# Altium PCB Pleiades_PP.PcbDoc (part 8 of 15)
Units mil, origin at the board's own origin, x right, y up, seen from the top; angles counter-clockwise.
Board outline 12244.09 x 4515.28 mil, 12 copper layers (TOP, GND1, IN1, GND2, POW1, GND3, POW2, GND4, GND5, IN2, GND6, BOT), stack 63.546 mil thick; 1447 components, 738 nets, 4532 pads, 3316 vias.
Unrouted connection lines stored in the file: 499.
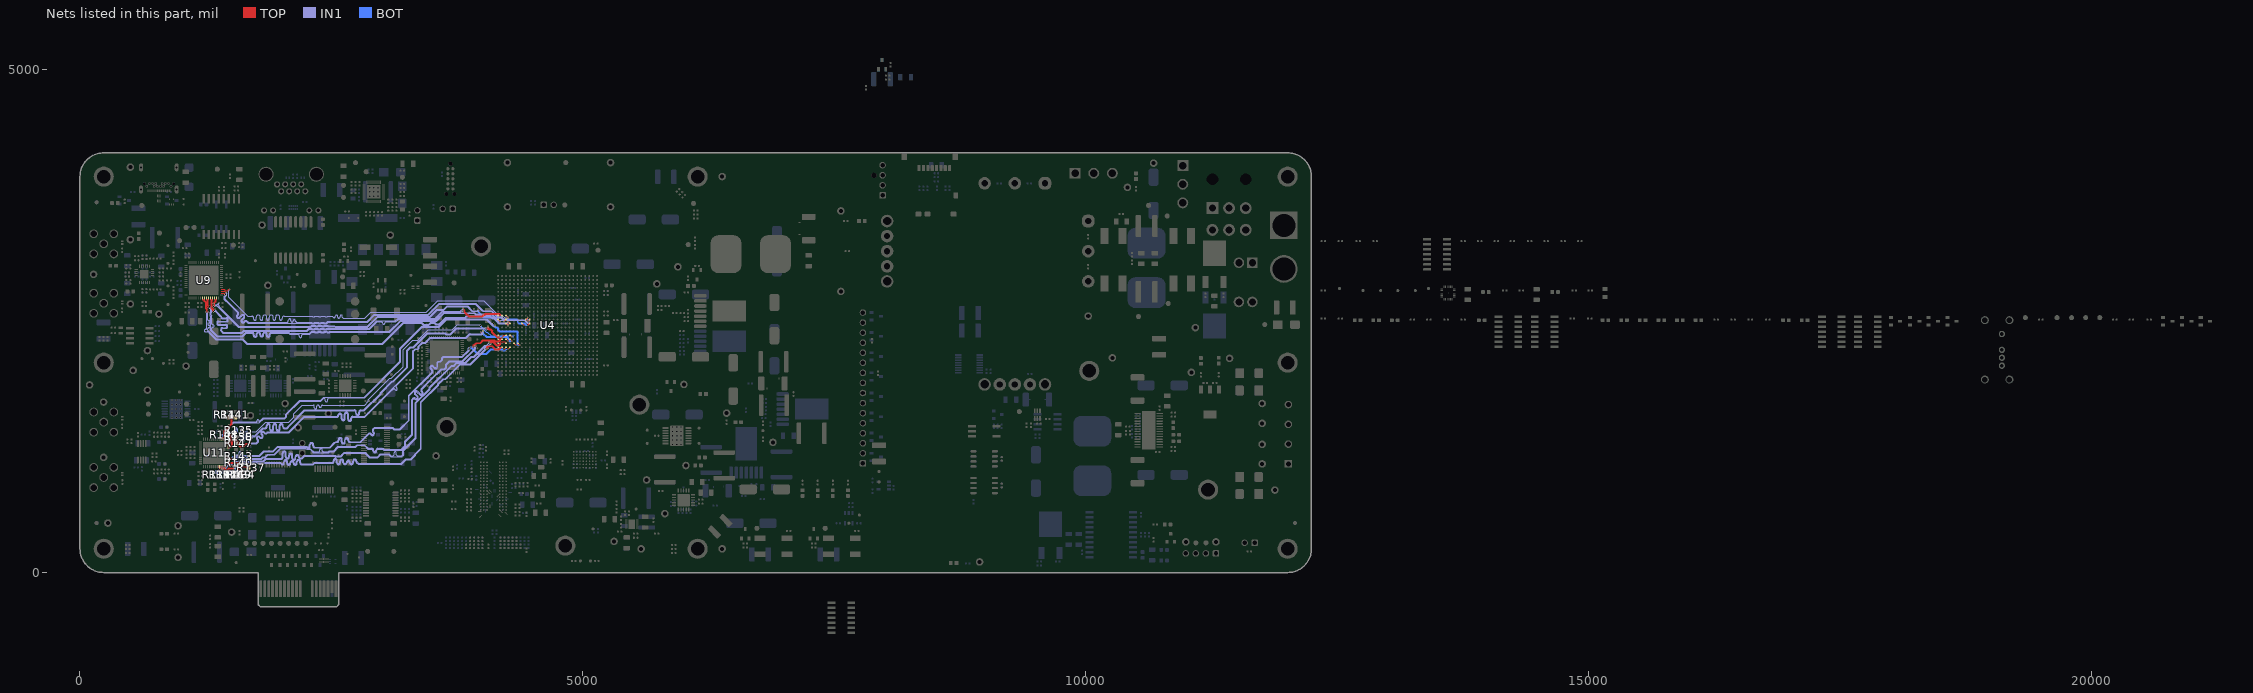
[diagram p18: the nets of this part, all layers, seen from the top]

## Via types
v1: diameter 12/18/18/18/18/18/18/18/18/18/18/12 (per signal layer), hole 6, TOP to BOT, 2739 vias
v2: diameter 20, hole 10, TOP to BOT, 363 vias
v3: diameter 19.68, hole 7.87, TOP to BOT, 110 vias
v4: diameter 40, hole 20, TOP to BOT, 36 vias
v5: diameter 25, hole 12, TOP to BOT, 32 vias
v6: diameter 22, hole 12, TOP to BOT, 27 vias
v7: diameter 19.68, hole 11.81, TOP to BOT, 9 vias

## Nets (pads, with @x,y where several pads share a name; then routed paths per layer and width w, separated by ;. In a path a pad name is that pad's centre, name@x,y a point inside that pad or via, vN(x,y) a via of type N, cw(c..) or ccw(c..) an arc to the next point about the centre after c; other vN are vias at no path point) (continued)
D0_P: R148.1 U4.D11 U11.27 | length 3925.4
  TOP w4.33: v1(1403.56,1367.5) 1401.48,1367.5 1398.94,1364.97 1398.72,1364.97 1398.72,1349.82 1398.72,1343.91 1403.9,1338.74 U11.27@1403.9,1326.81
  TOP w8.89: U4.D11@4275.59,2358.27 v1(4295.28,2338.58)
  IN1 w3.09: v1(1403.56,1367.5) 1403.56,1374.14 1405.37,1375.95 1441.02,1375.95 1465.97,1400.91 1510,1400.91 1516.09,1400.91 ccw(c1516.09,1421.55) 1536.74,1421.55 1536.74,1429.36 cw(c1548.28,1429.36) 1548.28,1440.91 cw(c1548.28,1429.36) 1559.83,1429.36 1559.83,1411.19 ccw(c1580.47,1411.19) 1580.47,1390.55 ccw(c1580.47,1411.19) 1601.11,1411.19 1601.11,1428.35 cw(c1612.66,1428.35) 1612.66,1439.89 cw(c1612.66,1428.35) 1624.21,1428.35 1624.21,1421.55 ccw(c1644.85,1421.55) 1644.85,1400.91 ccw(c1644.85,1421.55) 1665.49,1421.55 cw(c1677.04,1421.55) 1677.04,1433.1 cw(c1677.04,1421.55) 1688.59,1421.55 ccw(c1709.23,1421.55) 1709.23,1400.91 1750,1400.91 1753.77,1400.91 1847.86,1495 2073.77,1495 2123.38,1544.61 2123.38,1580.52 2207.7,1664.84 2295,1664.84 2319.64,1664.84 cw(c2319.64,1653.29) 2331.19,1653.29 2331.19,1638.78 ccw(c2342.74,1638.78) 2342.74,1627.23 ccw(c2342.74,1638.78) 2354.28,1638.78 2354.28,1653.29 cw(c2365.83,1653.29) 2365.83,1664.84 cw(c2365.83,1653.29) 2377.38,1653.29 ccw(c2388.93,1653.29) 2388.93,1641.74 ccw(c2388.93,1653.29) 2400.47,1653.29 cw(c2412.02,1653.29) 2412.02,1664.84 2475,1664.84 2829.84,1664.84 2867.66,1702.66 2867.66,1717.66 3080,1930 3095,1930 3212.66,2047.66 3212.66,2214.8 3306.59,2308.72 3358.73,2308.72 3465,2415 3702.86,2415 3749.71,2461.85 3982.95,2461.85 3982.95,2454.61 v1(3983.17,2454.39)
  BOT w4.33: v1(1403.56,1367.5) 1405.02,1366.03 1410.42,1366.03 R148.1@1435,1341.46 ; v1(3983.17,2454.39) 3984.07,2454.39 3990.44,2448.02 3990.44,2442.71 4041.61,2391.54 4051.73,2391.54 4088.81,2354.46 4300.53,2354.46 4310.3,2344.7 4310.3,2341.12 4307.76,2338.58 v1(4295.28,2338.58)
D1_N: R144.1 U4.E9 U11.26 | length 3975.7
  TOP w4.33: U11.26@1423.58,1326.81 1423.58,1338.74 1428.76,1343.91 1428.76,1402.33 1478.03,1451.59 v1(1478.03,1461.97) 1488.41,1461.97 1505.34,1478.9 1505.34,1538.92 1502.8,1541.46 R144.1@1475,1541.46
  TOP w8.89: U4.E9@4314.96,2279.53 v1(4334.65,2259.84)
  IN1 w3.09: v1(1478.03,1461.97) 1479.31,1463.25 1489.85,1463.25 1525.04,1498.44 1751.46,1498.44 1753.01,1498.44 ccw(c1753.01,1505.98) 1760.55,1505.98 1760.55,1512.01 cw(c1768.1,1512.01) 1768.1,1519.56 cw(c1768.1,1512.01) 1775.65,1512.01 1775.65,1511.73 ccw(c1783.2,1511.73) 1788.53,1506.39 1821.23,1539.09 1880,1539.09 2034.09,1539.09 2045.91,1550.91 2045.91,1575.91 2184.09,1714.09 2392.23,1714.09 2423.13,1745 2825.91,1745 3180,2099.09 3180,2228.77 3400.33,2449.09 3569.09,2449.09 3644.64,2524.64 4043.08,2524.64 4104.74,2462.99 4107.3,2462.99 4110.83,2466.51 4110.83,2477.25 v1(4111.92,2478.34)
  BOT w4.33: v1(4111.92,2478.34) 4110.84,2477.26 4110.84,2449.13 4126.79,2433.18 4141.96,2433.18 4152.53,2422.61 4152.53,2408.74 4167.44,2393.83 4338.79,2393.83 4349.67,2382.96 4349.67,2262.38 4347.13,2259.84 v1(4334.65,2259.84)
D1_P: R141.1 U4.F9 U11.25 | length 3975.2
  TOP w4.33: U11.25@1443.27,1326.81 1443.27,1338.74 1438.09,1343.91 1438.09,1398.46 1484.62,1445 v1(1495,1445) 1495,1455.38 1514.66,1475.04 1514.66,1538.92 1517.2,1541.46 R141.1@1545,1541.46
  TOP w8.89: U4.F9@4354.33,2279.53 v1(4374.02,2259.84)
  IN1 w3.09: v1(1495,1445) 1496.28,1446.28 1496.28,1456.82 1528.8,1489.34 1784.34,1489.34 1825,1530 2037.86,1530 2055,1547.14 2055,1572.14 2187.86,1705 2395.99,1705 2407.69,1716.7 2418.4,1727.4 cw(c2426.56,1719.24) 2438.11,1719.24 2438.11,1707.45 ccw(c2449.66,1707.45) 2449.66,1695.91 ccw(c2449.66,1707.45) 2461.2,1707.45 2461.2,1724.36 cw(c2472.75,1724.36) 2472.75,1735.91 2580,1735.91 2829.67,1735.91 3189.09,2095.33 3189.09,2225 3404.09,2440 3572.86,2440 3648.41,2515.55 4039.31,2515.55 4100.97,2453.89 4111.07,2453.89 4113.17,2455.99 4124.01,2455.99 v1(4125,2455)
  BOT w4.33: v1(4125,2455) 4126.47,2453.53 4126.47,2447.41 4131.37,2442.51 4145.83,2442.51 4161.86,2426.48 4161.86,2412.6 4171.3,2403.16 4342.66,2403.16 4358.99,2386.82 4358.99,2262.38 4361.53,2259.84 v1(4374.02,2259.84)
D2_N: R138.1 U4.A11 U11.24 | length 4021
  TOP w4.33: U11.24@1471.84,1298.24 1491.38,1298.24 1493.91,1300.77 1493.91,1358.06 1505.34,1369.49 1505.34,1378.73 v1(1506.61,1380) ; v1(4057.24,2446.7) 4057.11,2446.57 4057.11,2436.46 4070.07,2423.5 4085.07,2423.5 4104.82,2403.74 4104.82,2389.22 4151.12,2342.92 4164.18,2342.92 4166.71,2345.45 4166.71,2349.04 U4.A11@4157.48,2358.27
  IN1 w3.09: v1(1506.61,1380) 1500.49,1373.88 1500.49,1352.72 1502.3,1350.91 1509.05,1350.91 1513.69,1355.55 1522.43,1355.55 1527.07,1350.91 1555,1350.91 1593.28,1350.91 cw(c1593.28,1339.36) 1604.83,1339.36 1604.83,1331.55 ccw(c1625.47,1331.55) 1625.47,1310.91 ccw(c1625.47,1331.55) 1646.11,1331.55 1646.11,1374.17 cw(c1657.66,1374.17) 1657.66,1385.72 cw(c1657.66,1374.17) 1669.21,1374.17 1669.21,1332.88 ccw(c1689.85,1332.88) 1689.85,1312.24 ccw(c1689.85,1332.88) 1710.49,1332.88 1710.49,1339.36 cw(c1722.04,1339.36) 1722.04,1350.91 1742.34,1350.91 1750,1358.57 1822.34,1430.91 1835,1430.91 1841.09,1430.91 ccw(c1841.09,1451.55) 1861.74,1451.55 1861.74,1459.36 cw(c1873.28,1459.36) 1873.28,1470.91 cw(c1873.28,1459.36) 1884.83,1459.36 1884.83,1426.38 ccw(c1905.47,1426.38) 1905.47,1405.74 ccw(c1905.47,1426.38) 1926.11,1426.38 1926.11,1459.36 cw(c1937.66,1459.36) 1937.66,1470.91 cw(c1937.66,1459.36) 1949.21,1459.36 1949.21,1426.38 ccw(c1969.85,1426.38) 1969.85,1405.74 ccw(c1969.85,1426.38) 1990.49,1426.38 1990.49,1459.36 cw(c2002.04,1459.36) 2002.04,1470.91 cw(c2002.04,1459.36) 2013.59,1459.36 2013.59,1451.55 ccw(c2034.23,1451.55) 2034.23,1430.91 2058.77,1430.91 2090,1462.14 2235.41,1607.55 2628.84,1607.55 2728.65,1607.55 cw(c2728.65,1596) 2740.2,1596 2740.2,1582.99 ccw(c2760.84,1582.99) 2760.84,1562.35 ccw(c2760.84,1582.99) 2781.48,1582.99 2781.48,1596 cw(c2793.03,1596) 2793.03,1607.55 2799.12,1607.55 2827.55,1607.55 2994.45,1774.45 2994.45,1784.38 3105.3,1895.23 3115.23,1895.23 3259.45,2039.45 3259.45,2206.59 3286.43,2233.57 3318.65,2233.57 3458.13,2373.05 3628.44,2373.05 3636.13,2365.36 3685.66,2365.36 3746.36,2426.06 4020.54,2426.06 4033.15,2413.45 4046.85,2413.45 4057.24,2423.84 v1(4057.24,2446.7)
  BOT w4.33: v1(1506.61,1380) 1524.19,1362.42 1539.04,1362.42 R138.1@1551.46,1350
D2_P: R135.1 U4.C11 U11.23 | length 4023.1
  TOP w4.33: U11.23@1471.81,1278.58 1483.03,1278.58 1493.11,1288.66 1495,1288.66 1503.24,1296.91 1503.24,1354.2 1529.04,1380 v1(1530.61,1380) ; v1(4040,2430) 4040.13,2429.87 4050.51,2429.87 4066.21,2414.17 4081.21,2414.17 4095.49,2399.88 4095.49,2385.36 4147.26,2333.59 4152.26,2333.59 ccw(c4152.26,2334.09) 4152.76,2334.09 cw(c4153.26,2334.09) 4153.76,2334.09 ccw(c4154.26,2334.09) 4154.26,2333.59 4192.01,2333.59 4216.68,2358.27 4221.68,2358.27 ccw(c4221.68,2358.39) 4221.8,2358.39 cw(c4221.93,2358.39) 4222.05,2358.39 ccw(c4222.18,2358.39) 4222.18,2358.27 U4.C11@4236.22,2358.27
  IN1 w3.09: v1(1530.61,1380) 1524.97,1380 1523.16,1378.19 1523.16,1367.68 1530.84,1360 1555,1360 1593.28,1360 cw(c1593.28,1339.36) 1613.93,1339.36 1613.93,1331.55 ccw(c1625.47,1331.55) 1625.47,1320 ccw(c1625.47,1331.55) 1637.02,1331.55 1637.02,1374.17 cw(c1657.66,1374.17) 1657.66,1394.81 cw(c1657.66,1374.17) 1678.3,1374.17 1678.3,1332.88 ccw(c1689.85,1332.88) 1689.85,1321.34 ccw(c1689.85,1332.88) 1701.4,1332.88 1701.4,1339.36 cw(c1722.04,1339.36) 1722.04,1360 1738.57,1360 1750,1371.43 1818.57,1440 1835,1440 1841.09,1440 ccw(c1841.09,1451.55) 1852.64,1451.55 1852.64,1459.36 cw(c1873.28,1459.36) 1873.28,1480 cw(c1873.28,1459.36) 1893.93,1459.36 1893.93,1426.38 ccw(c1905.47,1426.38) 1905.47,1414.83 ccw(c1905.47,1426.38) 1917.02,1426.38 1917.02,1459.36 cw(c1937.66,1459.36) 1937.66,1480 cw(c1937.66,1459.36) 1958.3,1459.36 1958.3,1426.38 ccw(c1969.85,1426.38) 1969.85,1414.83 ccw(c1969.85,1426.38) 1981.4,1426.38 1981.4,1459.36 cw(c2002.04,1459.36) 2002.04,1480 cw(c2002.04,1459.36) 2022.68,1459.36 2022.68,1451.55 ccw(c2034.23,1451.55) 2034.23,1440 2055,1440 2090,1475 2231.64,1616.64 2628.84,1616.64 2728.65,1616.64 cw(c2728.65,1596) 2749.29,1596 2749.29,1582.99 ccw(c2760.84,1582.99) 2760.84,1571.44 ccw(c2760.84,1582.99) 2772.39,1582.99 2772.39,1596 cw(c2793.03,1596) 2793.03,1616.64 2799.12,1616.64 2823.78,1616.64 2985.36,1778.22 2985.36,1788.15 3101.53,1904.32 3111.46,1904.32 3250.36,2043.22 3250.36,2210.36 3282.66,2242.66 3314.89,2242.66 3454.36,2382.14 3459.36,2382.14 ccw(c3459.36,2382.27) 3459.49,2382.27 cw(c3459.61,2382.27) 3459.74,2382.27 ccw(c3459.86,2382.27) 3459.86,2382.14 3632.2,2382.14 3639.89,2374.45 3681.89,2374.45 3742.59,2435.15 4024.31,2435.15 4026.61,2432.85 4037.15,2432.85 v1(4040,2430)
  BOT w4.33: v1(1530.61,1380) 1530.61,1394.15 R135.1@1551.46,1415
D3_N: R150.1 U4.C10 U11.22 | length 3969.4
  TOP w4.33: U11.22@1471.81,1258.9 1483.74,1258.9 1488.91,1253.72 1494.82,1253.72 1510.57,1269.46 1510.57,1299.83 1532.91,1322.16 1548.92,1322.16 1551.46,1324.7 R150.1@1551.46,1350 1560.11,1341.35 1560.11,1317 1584.68,1292.43 1584.68,1268.21 1591.76,1261.14 1625.65,1261.14 1648.84,1284.33 1685,1284.33 1687.88,1287.21 1687.88,1294.23 v1(1689.35,1295.69)
  TOP w8.89: U4.C10@4236.22,2318.9 v1(4255.91,2299.21)
  IN1 w3.09: v1(1689.35,1295.69) 1692,1295.69 1698.62,1289.08 1752.51,1289.08 1759.22,1295.78 1763.53,1300.09 ccw(c1755.36,1308.26) 1763.53,1316.42 1758,1321.95 cw(c1772.6,1336.54) 1758,1351.14 cw(c1772.6,1336.54) 1787.2,1351.14 1792.72,1345.61 ccw(c1800.88,1353.78) 1809.05,1361.94 1803.53,1367.47 cw(c1818.12,1382.06) 1803.53,1396.66 cw(c1818.12,1382.06) 1832.72,1396.66 1838.25,1391.13 ccw(c1846.41,1399.3) 1854.57,1391.14 1863.08,1399.64 1911.57,1399.64 2074.64,1399.64 2227.45,1552.45 2243.02,1552.45 2552.96,1552.45 ccw(c2552.96,1564) 2564.51,1564 cw(c2585.15,1564) 2585.15,1584.64 cw(c2585.15,1564) 2605.79,1564 2605.79,1531 ccw(c2617.34,1531) 2617.34,1519.46 ccw(c2617.34,1531) 2628.89,1531 2628.89,1571.81 cw(c2649.53,1571.81) 2649.53,1592.45 cw(c2649.53,1571.81) 2670.17,1571.81 2670.17,1524 ccw(c2681.72,1524) 2681.72,1512.45 ccw(c2681.72,1524) 2693.26,1524 2693.26,1531.81 cw(c2713.91,1531.81) 2713.91,1552.45 2720,1552.45 2829.59,1552.45 3310,2032.86 3310,2202.78 3334.18,2226.95 3359.09,2226.95 3364.03,2231.89 3364.03,2251.81 3403.31,2291.09 3433.17,2291.09 3481.18,2339.09 3836.51,2339.09 3872.57,2375.16 3877.57,2375.16 ccw(c3877.57,2375.41) 3877.82,2375.41 cw(c3878.07,2375.41) 3878.32,2375.41 ccw(c3878.57,2375.41) 3878.57,2375.16 3990.44,2375.16 3998.23,2382.95 3998.23,2385.99 3996.16,2388.06 3986.94,2388.06 v1(3985,2390)
  BOT w4.33: v1(3985,2390) 3985.23,2389.77 3993.78,2389.77 4000.38,2383.17 4000.38,2375.87 4038.95,2337.3 4043.95,2337.3 ccw(c4043.95,2337.43) 4044.08,2337.43 cw(c4044.2,2337.43) 4044.33,2337.43 ccw(c4044.45,2337.43) 4044.45,2337.3 4238.95,2337.3 4270.93,2305.33 4270.93,2301.75 4268.39,2299.21 v1(4255.91,2299.21)
D3_P: R147.1 U4.D10 U11.21 | length 3975.7
  TOP w4.33: U11.21@1471.81,1239.21 1483.74,1239.21 1488.91,1244.39 1498.69,1244.39 1519.89,1265.6 1519.89,1295.96 1536.77,1312.84 1548.92,1312.84 1551.46,1310.3 R147.1@1551.46,1285 1563.97,1272.49 1572.82,1272.49 1575.35,1269.96 1575.35,1264.35 1587.89,1251.81 1629.52,1251.81 1652.71,1275 1685,1275 1686.53,1273.47 1691.7,1273.47 v1(1693.17,1272)
  TOP w8.89: U4.D10@4275.59,2318.9 v1(4295.28,2299.21)
  IN1 w3.09: v1(1693.17,1272) 1693.93,1272 1701.91,1279.98 1756.28,1279.98 1765.65,1289.35 1769.96,1293.66 ccw(c1755.36,1308.26) 1769.96,1322.85 1764.43,1328.38 cw(c1772.6,1336.54) 1764.44,1344.71 cw(c1772.6,1336.54) 1780.77,1344.71 1786.29,1339.18 ccw(c1800.88,1353.78) 1815.46,1339.16 ; 1815.5,1339.2 ccw(c1800.88,1353.78) 1815.48,1368.38 1809.96,1373.9 cw(c1818.12,1382.06) 1809.96,1390.23 cw(c1818.12,1382.06) 1826.29,1390.23 1831.79,1384.73 ccw(c1846.41,1399.3) 1861,1384.71 1866.84,1390.55 1920.66,1390.55 2078.41,1390.55 2231.22,1543.36 2243.02,1543.36 2552.96,1543.36 ccw(c2552.96,1564) 2573.6,1564 cw(c2585.15,1564) 2585.15,1575.55 cw(c2585.15,1564) 2596.7,1564 2596.7,1531 ccw(c2617.34,1531) 2617.34,1510.36 ccw(c2617.34,1531) 2637.98,1531 2637.98,1571.81 cw(c2649.53,1571.81) 2649.53,1583.36 cw(c2649.53,1571.81) 2661.07,1571.81 2661.07,1524 ccw(c2681.72,1524) 2681.72,1503.36 ccw(c2681.72,1524) 2702.36,1524 2702.36,1531.81 cw(c2713.91,1531.81) 2713.91,1543.36 2720,1543.36 2833.36,1543.36 3095,1805 3112.42,1822.42 cw(c3120.59,1814.26) 3128.75,1822.42 3134.81,1816.37 ccw(c3142.97,1824.54) 3151.14,1816.37 ccw(c3142.97,1824.54) 3151.14,1832.7 3145.09,1838.76 cw(c3153.25,1846.92) 3145.09,1855.09 3170,1880 3319.09,2029.09 3319.09,2199.01 3337.94,2217.86 3362.86,2217.86 3373.13,2228.13 3373.13,2248.04 3407.08,2282 3436.94,2282 3484.94,2330 3840.28,2330 3876.34,2366.06 3994.21,2366.06 4007.32,2379.18 4007.32,2389.75 4007.28,2389.8 4007.28,2400.34 v1(4006,2401.62)
  BOT w4.33: v1(4006,2401.62) 4005.07,2400.69 4005.07,2391.68 4009.71,2387.03 4009.71,2379.73 4042.56,2346.88 4242.57,2346.88 4280.25,2309.19 4280.25,2301.75 4282.79,2299.21 v1(4295.28,2299.21)
D4_N: R143.1 U4.C8 U11.16 | length 3922.3
  TOP w4.33: U11.16@1471.81,1140.79 1483.74,1140.79 1488.91,1135.61 1505.34,1135.61 1505.34,1135.83 1507.87,1138.37 v1(1507.87,1140.44)
  TOP w8.89: v1(4216.54,2220.47) U4.C8@4236.22,2240.16
  IN1 w3.09: v1(1507.87,1140.44) 1517.61,1140.44 1544.8,1167.63 1574.81,1167.63 1576.36,1167.63 ccw(c1576.36,1175.18) 1583.9,1175.18 1583.9,1194.82 cw(c1591.45,1194.82) 1591.45,1202.36 cw(c1591.45,1194.82) 1599,1194.82 1599,1175.18 ccw(c1606.55,1175.18) 1606.55,1167.63 1619.81,1167.63 1784.77,1167.63 1826.23,1209.09 1920,1209.09 1965,1254.09 2256.75,1254.09 2262.92,1247.93 2264.32,1247.93 2270.42,1247.93 ccw(c2270.42,1259.47) 2281.97,1259.47 2281.97,1271.92 cw(c2302.61,1271.92) 2302.61,1292.56 cw(c2302.61,1271.92) 2323.25,1271.92 2323.25,1259.47 ccw(c2334.8,1259.47) 2334.8,1247.93 2482.84,1247.93 2530,1295.08 2537.56,1302.64 2548.75,1302.64 2554.85,1302.64 ccw(c2554.85,1314.19) 2566.39,1314.19 2566.39,1320.81 cw(c2587.04,1320.81) 2587.04,1341.45 cw(c2587.04,1320.81) 2607.68,1320.81 2607.68,1298.69 ccw(c2619.22,1298.69) 2619.22,1287.14 ccw(c2619.22,1298.69) 2630.77,1298.69 2630.77,1320.81 cw(c2651.41,1320.81) 2651.41,1341.45 cw(c2651.41,1320.81) 2672.06,1320.81 2672.06,1314.19 ccw(c2683.6,1314.19) 2683.6,1302.64 2773.82,1302.64 2787.64,1302.64 2845.77,1360.77 2864.89,1379.89 cw(c2879.48,1365.29) 2894.08,1379.89 2899.6,1374.36 ccw(c2907.77,1382.53) 2915.93,1374.37 ccw(c2907.77,1382.53) 2915.93,1390.7 2910.43,1396.2 cw(c2925.01,1410.81) 2910.41,1425.41 2914.72,1429.72 2929.09,1444.09 3108.77,1444.09 3123.77,1429.09 3180,1429.09 3266.78,1515.88 3266.78,1761.19 3494.38,1988.78 3498.69,1993.09 ccw(c3490.52,2001.26) 3498.67,2009.44 3483.97,2024.14 cw(c3498.56,2038.74) 3483.97,2053.33 cw(c3498.56,2038.74) 3513.16,2053.34 3527.88,2038.61 ccw(c3536.04,2046.78) 3544.21,2038.61 3549.87,2044.27 3549.87,2089.87 3552.07,2092.07 3562.67,2102.67 3583.91,2102.67 3598.25,2117.01 3598.25,2133.25 3613.52,2148.52 3799.03,2148.52 3859.8,2209.28 3859.8,2229.8 v1(3875,2245)
  BOT w4.33: v1(1507.87,1140.44) 1522.43,1155 R143.1@1551.46,1155 ; v1(3875,2245) 3887.99,2245 3953.66,2179.33 4039.33,2179.33 4084.31,2224.31 4205.86,2224.31 4208.61,2221.56 4215.76,2221.56 v1@4216.85,2220.47
D4_P: R140.1 U4.D8 U11.15 | length 3925.4
  TOP w4.33: U11.15@1471.81,1121.1 1483.74,1121.1 1488.91,1126.28 1529.66,1126.28 v1(1530.21,1126.84)
  TOP w8.89: v1(4255.91,2220.47) U4.D8@4275.59,2240.16
  IN1 w3.09: v1(1530.21,1126.84) 1524.82,1132.23 1524.82,1134.79 1548.57,1158.54 1627.63,1158.54 1644.27,1158.54 cw(c1644.27,1150.99) 1651.82,1150.99 1651.82,1149.55 ccw(c1659.36,1149.55) 1659.36,1142.01 ccw(c1659.36,1149.55) 1666.91,1149.55 1666.91,1150.99 cw(c1674.46,1150.99) 1674.46,1158.54 1745,1158.54 1788.54,1158.54 1830,1200 1923.77,1200 1968.77,1245 2252.98,1245 2259.15,1238.83 2264.32,1238.83 2270.42,1238.83 ccw(c2270.42,1259.47) 2291.06,1259.47 2291.06,1271.92 cw(c2302.61,1271.92) 2302.61,1283.47 cw(c2302.61,1271.92) 2314.16,1271.92 2314.16,1259.47 ccw(c2334.8,1259.47) 2334.8,1238.83 2486.61,1238.83 2530,1282.22 2541.33,1293.55 2548.75,1293.55 2554.85,1293.55 ccw(c2554.85,1314.19) 2575.49,1314.19 2575.49,1320.81 cw(c2587.04,1320.81) 2587.04,1332.36 cw(c2587.04,1320.81) 2598.58,1320.81 2598.58,1298.69 ccw(c2619.22,1298.69) 2619.22,1278.05 ccw(c2619.22,1298.69) 2639.87,1298.69 2639.87,1320.81 cw(c2651.41,1320.81) 2651.41,1332.36 cw(c2651.41,1320.81) 2662.96,1320.81 2662.96,1314.19 ccw(c2683.6,1314.19) 2683.6,1293.55 2773.82,1293.55 2791.41,1293.55 2852.2,1354.34 2871.32,1373.46 cw(c2879.48,1365.29) 2887.65,1373.46 2893.17,1367.93 ccw(c2907.77,1382.53) 2922.36,1367.93 ccw(c2907.77,1382.53) 2922.36,1397.13 2916.83,1402.66 cw(c2925.01,1410.81) 2916.84,1418.98 2921.15,1423.29 2932.86,1435 3105,1435 3120,1420 3183.77,1420 3275.88,1512.11 3275.88,1757.42 3500.81,1982.35 3505.12,1986.66 ccw(c3490.52,2001.26) 3506.45,2014.39 3506.45,2014.52 3504.24,2016.73 3490.4,2030.57 cw(c3498.56,2038.74) 3490.4,2046.9 cw(c3498.56,2038.74) 3506.73,2046.9 3521.45,2032.18 ccw(c3536.04,2046.78) 3550.64,2032.18 3558.96,2040.51 3558.96,2085.18 3558.96,2086.1 3566.44,2093.58 3571.44,2093.58 ccw(c3571.44,2093.7) 3571.57,2093.7 cw(c3571.69,2093.7) 3571.82,2093.7 ccw(c3571.94,2093.7) 3571.94,2093.58 3587.68,2093.58 3607.34,2113.24 3607.34,2129.48 3617.28,2139.42 3802.8,2139.42 3869.12,2205.74 3869.12,2208.39 3876.35,2215.62 v1(3876.35,2219.65)
  BOT w4.33: v1(1530.21,1126.84) 1530.21,1111.24 R140.1@1551.46,1090 ; v1(3876.35,2219.65) 3877.99,2219.65 3886,2227.66 3892.14,2227.66 3949.8,2170 4043.19,2170 4088.17,2214.98 4202,2214.98 4210.67,2206.31 4222.72,2206.31 4236.88,2220.47 v1(4255.91,2220.47)
D5_N: R137.1 U4.A8 U11.14 | length 4072.8
  TOP w4.33: U11.14@1471.81,1101.42 1483.74,1101.42 1488.91,1096.24 1575.61,1096.24 1585.33,1086.52 1585.33,1056.32 1591.54,1050.1 v1(1591.54,1049.94) 1591.71,1049.78 1666.68,1049.78 R137.1@1676.46,1040 ; v1(4041.43,2221.55) 4041.43,2223.62 4044.93,2227.13 4044.93,2231.5 4043.18,2233.25 4043.18,2244.56 4055.44,2256.82 4096.7,2256.82 4128.7,2224.81 4163.84,2224.81 4172.5,2233.47 4172.5,2237.06 4169.97,2239.59 4158.05,2239.59 U4.A8@4157.48,2240.16
  IN1 w3.09: v1(1591.54,1049.94) 1604.94,1049.94 1608.54,1053.54 1608.54,1080.15 1616.44,1088.05 1988.19,1088.05 1990.1,1086.14 2006.23,1070 2012.29,1070 ccw(c2012.29,1090.64) 2032.93,1090.64 2032.93,1099.53 cw(c2044.48,1099.53) 2044.48,1111.08 cw(c2044.48,1099.53) 2056.02,1099.53 2056.02,1087.65 ccw(c2076.66,1087.65) 2076.66,1067 ccw(c2076.66,1087.65) 2097.31,1087.65 2097.31,1089.48 cw(c2108.85,1089.48) 2108.85,1101.02 cw(c2108.85,1089.48) 2120.4,1089.48 2120.4,1087.65 ccw(c2141.04,1087.65) 2141.04,1067 ccw(c2141.04,1087.65) 2161.68,1087.65 2161.68,1103.13 cw(c2173.23,1103.13) 2173.23,1114.67 cw(c2173.23,1103.13) 2184.78,1103.13 2184.78,1090.64 ccw(c2205.42,1090.64) 2205.42,1070 2321.13,1070 2336.13,1085 2420.37,1085 2500,1085 2506.09,1085 ccw(c2506.09,1105.64) 2526.74,1105.64 2526.74,1113.45 cw(c2538.28,1113.45) 2538.28,1125 cw(c2538.28,1113.45) 2549.83,1113.45 2549.83,1093.88 ccw(c2570.47,1093.88) 2570.47,1073.24 ccw(c2570.47,1093.88) 2591.11,1093.88 2591.11,1106 cw(c2602.66,1106) 2602.66,1117.55 cw(c2602.66,1106) 2614.21,1106 2614.21,1093.88 ccw(c2634.85,1093.88) 2634.85,1073.24 ccw(c2634.85,1093.88) 2655.49,1093.88 cw(c2667.04,1093.88) 2667.04,1105.43 cw(c2667.04,1093.88) 2678.59,1093.88 ccw(c2699.23,1093.88) 2699.23,1073.24 ccw(c2699.23,1093.88) 2719.87,1093.88 2719.87,1108.13 cw(c2731.42,1108.13) 2731.42,1119.67 cw(c2731.42,1108.13) 2742.96,1108.13 ccw(c2763.61,1108.12) 2749.03,1093.51 2765.36,1077.17 2795,1077.17 3199.52,1077.17 3243.13,1120.78 3292.04,1120.78 3336.43,1165.18 3336.43,1173.57 3395,1232.14 3395,1692.22 3567.14,1864.36 3567.14,1872.06 3614.83,1919.74 3637.41,1919.74 3782.85,2065.19 3885.19,2065.19 4041.11,2221.11 4041.11,2221.22 v1(4041.43,2221.55)
D5_P: R134.1 U4.B8 U11.13 | length 4069.8
  TOP w4.33: U11.13@1471.81,1081.73 1483.74,1081.73 1488.91,1086.91 1571.75,1086.91 1576,1082.66 1576,1066.45 1569.79,1060.23 v1(1569.79,1060.08) 1569.79,1058 1577.38,1050.41 1577.38,1026.16 R134.1@1605,998.54 ; v1(4065,2235) 4064.58,2234.58 4055.04,2234.58 4052.51,2237.11 4052.51,2240.7 4059.3,2247.49 4092.84,2247.49 4124.84,2215.48 4167.7,2215.48 4181.83,2229.61 4181.83,2237.06 4184.36,2239.59 4196.29,2239.59 U4.B8@4196.85,2240.16
  IN1 w3.09: v1(1569.79,1060.08) 1572.64,1062.93 1578.46,1062.93 1612.68,1097.14 1990.1,1097.14 1991.95,1097.14 1997.28,1091.81 2010,1079.09 2012.29,1079.09 ccw(c2012.29,1090.64) 2023.83,1090.64 2023.83,1099.53 cw(c2044.48,1099.53) 2044.48,1120.17 cw(c2044.48,1099.53) 2065.12,1099.53 2065.12,1087.65 ccw(c2076.66,1087.65) 2076.66,1076.1 ccw(c2076.66,1087.65) 2088.21,1087.65 2088.21,1089.48 cw(c2108.85,1089.48) 2108.85,1110.12 cw(c2108.85,1089.48) 2129.5,1089.48 2129.5,1087.65 ccw(c2141.04,1087.65) 2141.04,1076.1 ccw(c2141.04,1087.65) 2152.59,1087.65 2152.59,1103.13 cw(c2173.23,1103.13) 2173.23,1123.77 cw(c2173.23,1103.13) 2193.87,1103.13 2193.87,1090.64 ccw(c2205.42,1090.64) 2205.42,1079.09 2317.36,1079.09 2332.36,1094.09 2420.37,1094.09 2500,1094.09 2506.09,1094.09 ccw(c2506.09,1105.64) 2517.64,1105.64 2517.64,1113.45 cw(c2538.28,1113.45) 2538.28,1134.09 cw(c2538.28,1113.45) 2558.93,1113.45 2558.93,1093.88 ccw(c2570.47,1093.88) 2570.47,1082.33 ccw(c2570.47,1093.88) 2582.02,1093.88 2582.02,1106 cw(c2602.66,1106) 2602.66,1126.64 cw(c2602.66,1106) 2623.3,1106 2623.3,1093.88 ccw(c2634.85,1093.88) 2634.85,1082.33 ccw(c2634.85,1093.88) 2646.4,1093.88 cw(c2667.04,1093.88) 2667.04,1114.52 cw(c2667.04,1093.88) 2687.68,1093.88 ccw(c2699.23,1093.88) 2699.23,1082.33 ccw(c2699.23,1093.88) 2710.78,1093.88 2710.78,1108.13 cw(c2731.42,1108.13) 2731.42,1128.77 cw(c2731.42,1108.13) 2752.06,1108.13 ccw(c2763.61,1108.12) 2755.43,1099.97 2769.13,1086.27 2795,1086.27 3195.76,1086.27 3239.36,1129.88 3288.27,1129.88 3327.34,1168.94 3327.34,1177.34 3385.91,1235.91 3385.91,1695.99 3558.05,1868.13 3558.05,1875.82 3611.06,1928.84 3633.64,1928.84 3779.08,2074.28 3881.42,2074.28 4024.88,2217.74 4024.88,2228.4 4034.58,2238.09 4050.92,2238.09 4053.17,2235.84 4064.16,2235.84 v1(4065,2235)